# Altium PCB GameBoard_V1I1.PcbDoc (part 7 of 22)
Units mil, origin at the board's own origin, x right, y up, seen from the top; angles counter-clockwise.
Board outline 7165.35 x 2814.96 mil, 12 copper layers (L1, L2, L3, L4, L5 (PWR), L6 (PWR), L7 (PWR), L8 (PWR), L9, L10, L11, L12), stack 61.575 mil thick; 1551 components, 1072 nets, 5467 pads, 3785 vias.
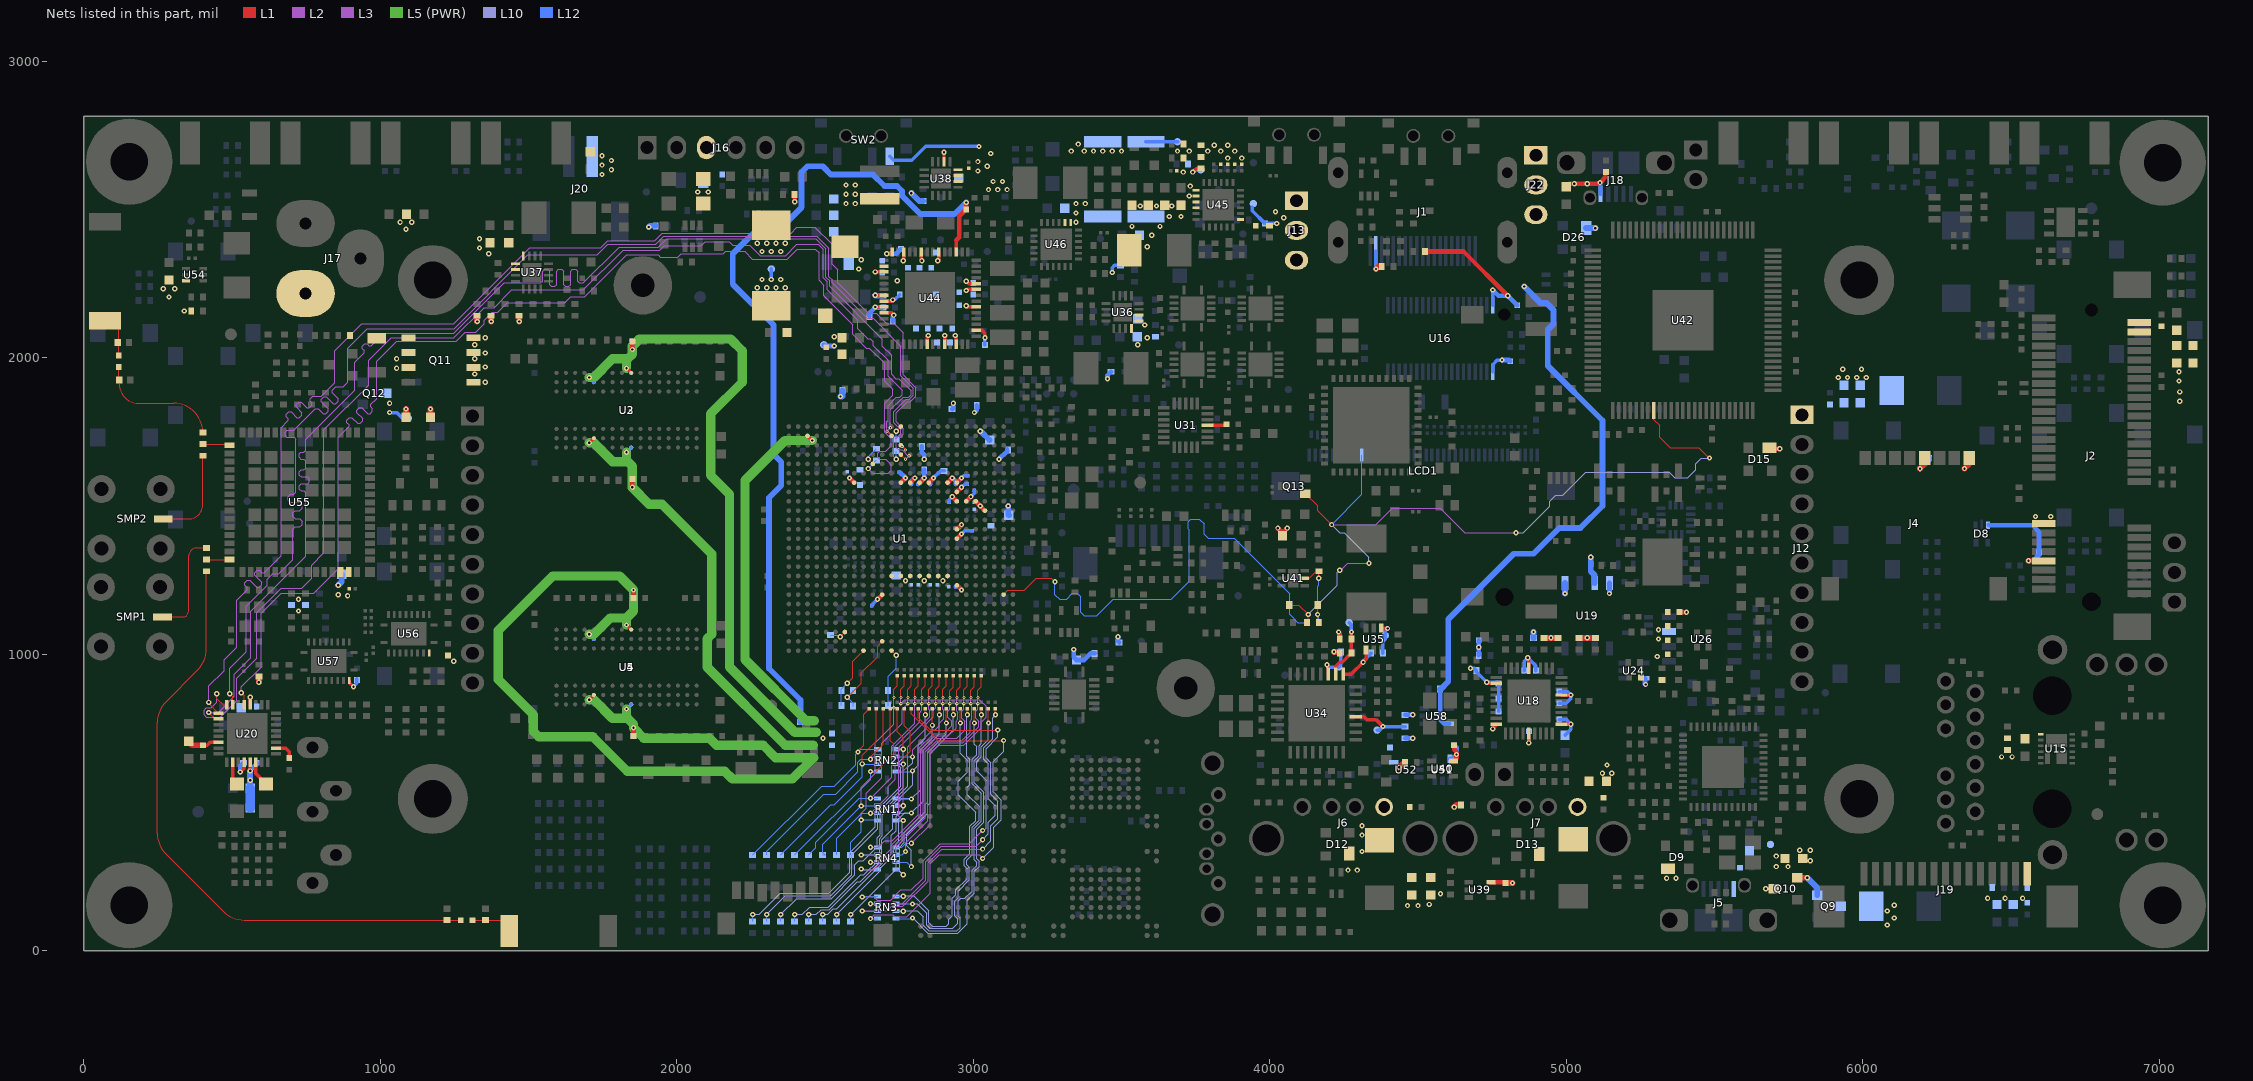
[diagram p17: the nets of this part, all layers, seen from the top]

## Via types
v1: diameter 17.72, hole 7.87, L1 to L12, 1935 vias
v2: diameter 17.72, hole 7.87, L1 to L12, tented both sides, 995 vias
v3: diameter 10.63, hole 3.94, L1 to L2, 334 vias
v4: diameter 11.81, hole 3.94, L2 to L3, 334 vias
v5: diameter 10.63, hole 3.94, L11 to L12, 94 vias
v6: diameter 11.81, hole 3.94, L10 to L11, 93 vias

## Nets (pads, with @x,y where several pads share a name; then routed paths per layer and width w, separated by ;. In a path a pad name is that pad's centre, name@x,y a point inside that pad or via, vN(x,y) a via of type N, cw(c..) or ccw(c..) an arc to the next point about the centre after c; other vN are vias at no path point) (continued)
+3V3_USB_HUB: C250.1 C251.2 C252.1 C253.2 C256.1 C257.1 C258.1 C259.1 C260.2 FB12.2 R184.2 R186.1 R187.2 R188.1 R197.2 R198.2 U18.5 U18.10 U18.15 U18.23 U18.29 U18.36 | length 851.6
  L1 w11.81: v1(4732.28,905.51) 4736.22,901.57 U18.29@4763.78,901.57 ; v1(4751.97,748.03) 4763.78,759.84 U18.36@4763.78,763.78 ; v1(4870.08,988.19) 4874.02,984.25 U18.23@4874.02,952.76 ; v1(4874.02,700.79) U18.5@4874.02,732.28 ; U18.10@4984.25,763.78 v1(5015.75,763.78) ; U18.15@4984.25,862.2 v1(5015.75,862.2)
  L1 w19.68: R188.1@4925.2,1055.12 v1(4948.82,1055.12) R186.1@4972.44,1055.12 ; R198.2@5047.24,1055.12 v1(5070.87,1055.12) R197.2@5098.43,1055.12
  L12 w11.81: v1(4677.17,952.76) 4688.98,952.76 R184.2@4696.85,944.88 4696.85,940.94 v1(4732.28,905.51) 4767.72,905.51 C257.1@4771.65,901.57 C260.2@4771.65,850.39 C256.1@4771.65,807.09 ; C252.1@4858.27,944.88 4858.27,976.38 v1(4870.08,988.19) 4897.64,960.63 C253.2@4897.64,944.88 ; v1(4874.02,700.79) C259.1@4874.02,740.16 ; C258.1@4976.38,779.53 5000,779.53 v1(5015.75,763.78) 5015.75,746.06 FB12.2@4996.06,726.38 ; C251.2@4976.38,834.65 5000,834.65 5015.75,850.39 v1(5015.75,862.2) 5003.94,874.02 C250.1@4976.38,874.02
  L12 w19.68: R187.2@4889.76,1055.12 v1(4889.76,1074.8)
+3V3_WIFI: C522.2 C525.2 C529.2 C531.2 D54.2 D55.2 FB50.2 FB51.2 R553.2 R554.2 R557.2 U55.46 U55.47 U56.19 U57.19 | length 176.9
  L1 w9.84: U57.19@895.67,911.42 895.67,903.54 v1(909.45,889.76)
  L1 w19.68: v1(590.55,905.51) R557.2@590.55,925.2 ; D54.2@1086.61,1799.21 v1(1086.61,1826.77) ; D55.2@1169.29,1799.21 v1(1169.29,1826.77)
  L12 w11.81: v1(909.45,889.76) 921.26,901.57 C531.2@921.26,917.32
  L12 w19.68: v1(858.27,1232.28) 870.08,1244.09 C525.2@870.08,1269.68
  other v1: 1248.03,976.38 724.41,1145.67 724.41,1185.04 889.76,1196.85 858.27,1200.79 1086.61,2433.07 1066.93,2456.69 1106.3,2456.69
+5V: C70.1 C71.1 C218.1 C242.1 C458.1 C459.1 C460.1 D45.1 FB10.1 FB13.1 FB31.2 FB33.1 R183.1 TP37.1 U1.D10 U1.E9 U16.1 U44.44 | length 247.2
  L1 w15.75: U1.E9@3007.87,1515.75 v2(3023.62,1500) U1.D10@3039.37,1484.25 ; FB33.1@5381.89,1141.73 v1(5405.51,1141.73)
  L12 w11.81: U16.1@4751.97,1952.76 4751.97,1976.38 4767.72,1992.13 v1(4783.46,1992.13)
  L12 w15.75: TP37.1@2496.06,2043.31 2500,2039.37 v2(2531.5,2039.37) ; R183.1@4704.72,996.06 v1(4704.72,1023.62) C242.1@4704.72,1047.24 ; v1(4783.46,1992.13) 4807.09,1992.13 C218.1@4811.02,1988.19
  other v1: 4538,156 4576,192 4263.78,271.65 4295.28,271.65 7069.43,1853.16 7069.43,1884.66 5917.32,1933.07 5948.82,1933.07 5933.07,1960.63 2744.09,2259.84
  other v2: 2531.5,2070.87
+5V_BARREL: J17.1 Q11.1 Q11.2 Q11.3 Q12.3 R320.2 R321.2 TP24.1 | length 71.1
  L12 w11.81: v1(1031.5,1814.96) 1055.12,1814.96 1074.8,1795.28 TP24.1@1094.49,1795.28
  other v1: 1031.5,1846.46 1055.12,1964.57 1055.12,1996.06
+5V_FTDI: C299.1 C300.1 D18.1 D19.1 J16.3 R233.2 R238.2 | length 50.8
  L1 w15.75: v1(2397.64,2525.59) R233.2@2397.64,2551.18
  L12 w19.68: v1(1905.51,2440.94) 1909.45,2444.88 R238.2@1929.13,2444.88
  other v1: 2070.87,2559.06 2106.3,2559.06
+5V_HDMI_CON: C221.1 J1.18 R146.2 R147.2 U16.38 | length 580.1
  L1 w15.75: R147.2@4523.62,2358.27 4653.54,2358.27 v1(4803.15,2208.66)
  L1 w19.68: v1(4358.27,2299.21) 4366.14,2307.09 R146.2@4377.95,2307.09
  L12 w11.81: v1(4358.27,2299.21) J1.18@4358.27,2359.84 ; U16.38@4751.97,2177.17 v1(4751.97,2228.35)
  L12 w15.75: v1(4751.97,2228.35) 4771.65,2208.66 v1(4803.15,2208.66) C221.1@4834.65,2177.17
+5V_HDR_J1: C297.1 C298.1 D15.1 FB27.1 FB31.1 J12.1 | length 37.1
  L1 w15.75: D15.1@5685.04,1696.85 5688.98,1692.91 v1(5720.47,1692.91)
+5V_JMP: J13.2 J22.3 Q11.5 Q11.6 Q11.7 Q11.8 R678.2 U58.5 | length 1940.5
  L12 w15.75: R678.2@4574.8,880.44 4574.8,779.53 4588.58,765.75 U58.5@4605.31,765.75
  L12 w19.68: R678.2@4574.8,880.44 4602.36,908 4602.36,1118.11 4822.83,1338.58 4889.76,1338.58 4977.17,1425.98 5048.03,1425.98 5122.05,1500 5122.05,1788.39 4937.99,1972.44 4937.99,2094.39 4956.69,2113.1 4956.69,2161.42 4934.06,2184.06 4914.37,2184.06 v1(4858.27,2240.16)
  other v1: 1354.33,1917.32 1318.9,1944.88 1354.33,1968.5 1318.9,1996.06 1354.33,2015.75 1318.9,2043.31 1354.33,2066.93
+5V_MPCIE: C236.1 C237.1 FB10.2 FB11.2 J2.49 J2.51
+5V_USB_BOT: C243.1 C245.1 D12.1 FB13.2 FB14.2 J6.1 U19.8 | length 35.5
  L12 w15.75: v1(5145.67,1204.72) 5145.87,1204.92 U19.8@5145.87,1240.16
  other v1: 4311.02,334.65 4311.02,389.76 4311.02,421.26
+5V_USB_OTG: C240.1 C241.1 D9.1 FB42.2 J5.1 Q10.3 TP11.1
  other v1: 5673.23,208.66 5338.58,244.09 5370.08,244.09 5708.66,283.46 5748.03,283.46 5708.66,318.9
+5V_USB_OTG_Q: C358.2 C519.2 C520.2 C521.2 Q9.2 Q10.2 R318.2 R319.2 U39.5 U40.5 U51.5 U52.5 | length 353.1
  L1 w15.75: U40.5@4620.08,639.76 4629.92,649.61 v1(4629.92,661.42) 4629.92,670.28 4622.05,678.15 C519.2@4622.05,692.91 ; U39.5@4746.06,230.32 C358.2@4793.31,230.32
  L1 w19.68: v1(4437.01,618.11) 4452.76,633.86 R319.2@4456.69,633.86 ; v1(4622.05,484.25) 4629.92,492.13 R318.2@4645.67,492.13 ; C358.2@4795.28,228.35 v1(4818.9,228.35) ; Q10.2@5779.53,246.06 v1(5812.99,246.06)
  L12 w15.75: U51.5@4608.27,647.64 4616.14,647.64 v1(4629.92,661.42) 4629.92,685.04 C520.2@4622.05,692.91
  L12 w19.68: v1(5812.99,246.06) 5846.85,212.2 Q9.2@5846.85,187.01
+5V_USB_TOP: C244.1 C246.1 D13.1 FB15.1 J7.1 U19.5 | length 35.5
  L12 w19.68: U19.5@4995.87,1240.16 4995.87,1204.92 v1(4996.06,1204.72)
+BAT: C489.1 J20.1 R226.1 R466.2 R475.2 R476.2 TP47.1 | length 127.6
  L1 w19.68: v1(4216.54,1007.87) 4232.28,1007.87 R226.1@4236.22,1003.94
  L12 w11.81: R475.2@3582.68,2728.35 TP47.1@3688.98,2728.35
  other v1: 1748.03,2618.11 1779.53,2633.86 1748.03,2649.61 1779.53,2665.35 1748.03,2681.1 3330.71,2696.85 3374.02,2696.85 3405.51,2696.85 3437.01,2696.85 3468.5,2696.85 3500,2696.85 3791.34,2696.85 3812.99,2716.54 3858.27,2716.54 3354.33,2720.47
+DDR_VREF: C1.1 C2.1 C3.1 C4.1 C5.1 C6.1 C7.1 C8.1 C9.1 C10.2 C18.1 R8.1 R11.2 R430.1 U1.AC2 U2.H1 U2.M8 U3.H1 U3.M8 U4.H1 U4.M8 U5.H1 U5.M8 | length 8450.6
  L1 w11.81: v2(1704.72,846.46) U4.M8@1720.47,862.2 ; v2(1704.72,1712.6) U2.M8@1720.47,1728.35 ; v2(1830.71,1098.43) U4.H1@1846.46,1082.68 ; v2(1830.71,1964.57) U2.H1@1846.46,1948.82 ; U1.AC2@2440.94,1736.22 v2(2456.69,1720.47)
  L1 w15.75: v2(1850.39,1562.99) C1.1@1850.39,1590.55 ; v2(1850.39,2027.56) C2.1@1850.39,2055.12 ; C6.1@1854.33,724.41 v2(1854.33,751.97) ; C7.1@1854.33,1188.98 v2(1854.33,1216.54)
  L5 (PWR) w31.5: v2(1704.72,846.46) 1720.47,846.46 1783.46,783.46 1822.83,783.46 ; v2(1704.72,1066.93) 1720.47,1066.93 1775.59,1122.05 1830.71,1122.05 ; v2(1704.72,1712.6) 1720.47,1712.6 1783.46,1649.61 1822.83,1649.61 ; v2(1704.72,1933.07) 1720.47,1933.07 1783.46,1996.06 1822.83,1996.06 ; v2(1830.71,814.96) 1830.71,791.34 1822.83,783.46 ; v2(1830.71,1098.43) 1830.71,1122.05 ; v2(1830.71,1681.1) 1830.71,1657.48 1822.83,1649.61 ; v2(1830.71,1964.57) 1830.71,1988.19 1822.83,1996.06 ; v2(1854.33,751.97) 1854.33,750.97 1888.77,716.54 2110.24,716.54 2133.86,692.91 2291.34,692.91 2333.18,651.08 2462.1,651.08 2389.76,578.74 2187.98,578.74 2161.41,605.31 1832.68,605.31 1716.54,721.46 1534.45,721.46 1515.75,740.16 1515.75,796.26 1397.64,914.37 1397.64,1079.72 1581.69,1263.78 1807.09,1263.78 v2(1854.33,1216.54) 1854.33,1145.67 1830.71,1122.05 ; v2@1854.33,759.84 1854.33,763.78 1834.65,783.46 1822.83,783.46 ; v2(2456.69,1720.47) 2365.16,1720.47 2230.32,1585.63 2230.32,982.28 2437.01,775.59 2463.57,775.59 ; 2460.63,692.91 2366.14,692.91 2102.36,956.69 2102.36,1051.18 2118.11,1066.93 2118.11,1337.94 1950.14,1505.91 1906.48,1505.91 1850.39,1562 v2(1850.39,1562.99) 1850.39,1633.86 1834.65,1649.61 1822.83,1649.61 ; 2470.47,736.22 2398.7,736.22 2178.15,956.77 2178.15,1539.37 2114.17,1603.35 2114.17,1811.02 2220.47,1917.32 2220.47,2023.62 2181.1,2062.99 1874.02,2062.99 1850.39,2039.37 v2(1850.39,2027.56) 1850.39,2011.81 1834.65,1996.06 1822.83,1996.06
  L12 w11.81: v2(1704.72,1066.93) U5.M8@1720.47,1051.18 ; v2(1704.72,1933.07) U3.M8@1720.47,1917.32 ; v2(1830.71,814.96) U5.H1@1846.46,830.71 ; v2(1830.71,1681.1) U3.H1@1846.46,1696.85 ; C5.1@2425.2,1724.41 2452.76,1724.41 v2(2456.69,1720.47)
  L12 w15.75: v2(1850.39,1562.99) C4.1@1850.39,1590.55 ; v2(1850.39,2027.56) C3.1@1850.39,2055.12 ; C8.1@1854.33,724.41 v2(1854.33,751.97) ; C9.1@1854.33,1188.98 v2(1854.33,1216.54)
  other v2: 2493.11,716.53
+DDR_VREF_PMIC: C424.1 R430.2 U44.31 | length 2960
  L1 w11.81: U44.31@2942.91,2356.3 2942.91,2395.67
  L1 w15.75: 2942.91,2395.67 2952.76,2405.51 2952.76,2476.38 C424.1@2976.38,2500 v1(2976.38,2523.62)
  L12 w19.68: R430.2@2417.32,771.65 2417.32,845.47 2311.02,951.77 2311.02,1527.56 2352.36,1568.9 2352.36,1647.91 2326.77,1673.5 2326.77,2110.24 2188.98,2248.03 2188.98,2350.39 2275.59,2437.01 2350.39,2437.01 2421.26,2507.87 2421.26,2625.98 2440.94,2645.67 2492.13,2645.67 2519.69,2618.11 2661.42,2618.11 2700.79,2578.74 2743.11,2578.74 2759.84,2562.01 2759.84,2546.26 2821.85,2484.25 2937.01,2484.25 v1(2976.38,2523.62)
+GYRO_VREGD: C321.1 U31.16 | length 65.6
  L1 w11.81: U31.16@3790.35,1771.65 3850.39,1771.65 C321.1@3854.33,1775.59
+HDMI_VP: C73.1 R22.2 U1.L7 | length 79
  L1 w15.75: U1.L7@2818.9,1578.74 v2(2834.65,1594.49)
  L12 w15.75: C73.1@2814.96,1573.43 2834.65,1593.11 v2(2834.65,1594.49) R22.2@2834.65,1622.05
+HDMI_VPH: C76.1 R27.2 U1.M7 | length 94.8
  L1 w15.75: U1.M7@2787.4,1578.74 v2(2803.15,1594.49)
  L12 w15.75: C76.1@2791.34,1573.43 2791.34,1582.68 v2(2803.15,1594.49) ; R27.2@2826.77,1700.79 2826.77,1681.1 2834.65,1673.23 v2(2834.65,1657.48)
+LVDS_2V5: C83.1 C84.1 R32.2 U1.V7 | length 22.3
  L1 w15.75: v2(2582.68,1594.49) U1.V7@2598.43,1578.74
+MPCIE_SIM_PWR: C238.1 D8.3 J2.8 J4.C1 | length 394.5
  L1 w19.68: v1(6343.31,1625.98) 6359.06,1641.73 J4.C1@6359.06,1661.42 ; v1(6559.06,1314.96) J2.8@6610.24,1314.96
  L12 w15.75: D8.3@6425.2,1437.01 6427.16,1435.04 6572.83,1435.04 6594.49,1413.39 C238.1@6594.49,1342.52 6594.49,1334.65 6574.8,1314.96 v1(6559.06,1314.96)
+MPCIE_SIM_VPP: C239.1 J2.16 J4.C6 | length 90.3
  L1 w19.68: v1(6193.31,1625.98) 6209.06,1641.73 J4.C6@6209.06,1661.42
  L12 w19.68: v1(6193.31,1625.98) 6224.41,1657.09 C239.1@6224.41,1661.42
  other v1: 6582.68,1464.57 6633.86,1464.57
+NVCC_CSI: C158.1 R113.1 U1.N7 | length 79.3
  L1 w15.75: U1.N7@2755.91,1578.74 v2(2771.65,1594.49)
  L12 w15.75: C158.1@2750.59,1614.17 2751.97,1614.17 v2(2771.65,1594.49)
  L12 w19.68: v1(2552.17,1869.09) 2553.15,1868.11 2557.09,1868.11 2559.06,1870.08 R113.1@2559.06,1889.76
+NVCC_ENET: C166.1 C167.1 R115.1 U1.R19 | length 161.4
  L1 w15.75: v1(2677.17,1185.04) U1.R19@2692.91,1200.79
  L12 w11.81: C166.1@2657.48,1163.98 2657.48,1165.35 v1(2677.17,1185.04)
  L12 w15.75: v1(3338.58,1015.75) 3338.58,990.16 C167.1@3348.43,980.31 3374.02,980.31 3396.65,1002.95 R115.1@3409.45,1002.95
+NVCC_MIPI: C163.1 R114.1 U1.K7 | length 93.4
  L1 w15.75: U1.K7@2850.39,1578.74 v2(2866.14,1594.49)
  L12 w11.81: v2(2866.14,1594.49) 2889.76,1618.11 R114.1@2901.57,1618.11
  L12 w15.75: C163.1@2854.33,1573.43 2854.33,1582.68 v2(2866.14,1594.49)
+NVCC_RGMII: C168.1 R116.1 U1.G18 | length 67.6
  L1 w15.75: U1.G18@2944.88,1232.28 v2(2960.63,1216.54)
  L12 w15.75: C168.1@2940.95,1226.97 2950.2,1226.97 v2(2960.63,1216.54) ; v1(3488.19,1059.06) 3488.19,1043.31 R116.1@3492.13,1039.37
+PCIE_VP: C59.1 R12.2 U1.H7 | length 75.1
  L1 w15.75: U1.H7@2913.39,1578.74 v2(2929.13,1594.49)
  L12 w15.75: v2(2929.13,1594.49) 2940.95,1582.68 C59.1@2940.95,1573.43 ; v1(3003.94,1814.96) 3011.81,1822.83 R12.2@3011.81,1838.58
+PCIE_VPH: C64.1 R13.2 U1.G7 | length 93.4
  L1 w15.75: U1.G7@2944.88,1578.74 v2(2960.63,1594.49)
  L12 w11.81: v2(2960.63,1594.49) 2968.5,1602.36 C64.1@2981.69,1602.36 ; R13.2@3114.17,1685.04 R13.2@3114.17,1692.91
  L12 w15.75: v1(3086.61,1657.48) R13.2@3114.17,1685.04
+PCIE_VPTX: C61.1 FB1.2 U1.G8 | length 90
  L1 w15.75: U1.G8@2944.88,1547.24 v2(2960.63,1562.99)
  L12 w11.81: v2(2960.63,1562.99) 2971.06,1573.43 C61.1@2980.32,1573.43
  L12 w19.68: v1(3023.62,1751.97) 3025.59,1751.97 FB1.2@3055.12,1722.44
+PMIC_LICELL: C428.1 U44.42 | length 73.9
  L1 w11.81: v2(2708.66,2350.39) 2720.47,2350.39 U44.42@2726.38,2356.3
  L12 w15.75: v2(2708.66,2350.39) 2740.16,2350.39 C428.1@2755.91,2366.14
+PMIC_VCORE: C473.1 U44.49 | length 54
  L1 w11.81: v2(2669.29,2210.63) U44.49@2698.82,2210.63
  L12 w19.68: v2(2669.29,2210.63) 2671.26,2208.66 C473.1@2692.91,2208.66
+PMIC_VCOREREF: C472.1 U44.52 | length 60
  L1 w11.81: U44.52@2698.82,2151.57 2724.41,2151.57 v2(2732.28,2143.7)
  L12 w15.75: C472.1@2728.35,2122.05 2728.35,2139.76 v2(2732.28,2143.7)
+PULLUP: R465.2 R466.1 R471.2 R472.2 R473.2 R474.2 R488.2 R489.2 R490.2 R495.2
  other v1: 3858.27,2673.23 3905.51,2673.23 3688.98,2696.85 3728.35,2696.85 3834.65,2696.85 3881.89,2696.85
+PWRON_1V375_OPT: C418.1 R301.2 U44.16 | length 101.5
  L1 w11.81: U44.16@3009.84,2092.52 3029.53,2092.52 3039.37,2082.68 v2(3039.37,2066.93)
  L12 w11.81: C418.1@3039.37,2043.31 v2(3039.37,2066.93)
  L12 w15.75: v1(3452.76,1929.13) 3452.76,1940.94 R301.2@3464.57,1952.76
+SATA_VP: C87.1 R39.2 U1.G13 | length 83.3
  L1 w15.75: U1.G13@2944.88,1389.76 v2(2960.63,1405.51)
  L12 w11.81: v2(2960.63,1405.51) 2971.06,1415.95 C87.1@2996.06,1415.95
  L12 w15.75: R39.2@2929.13,1826.77 2933.07,1830.71 v1(2933.07,1846.46)
+SATA_VPH: C93.1 R40.2 U1.G12 | length 50.4
  L1 w15.75: U1.G12@2944.88,1421.26 v2(2960.63,1437.01)
  L12 w11.81: C93.1@2939.57,1425.2 2952.48,1425.2 2960.63,1433.35 v2(2960.63,1437.01)
+SYS: C350.1 C351.1 C483.1 C484.1 C485.1 C486.1 J13.3 L17.2 R465.1 R583.1 SW2.3 TP45.1 U38.10 U38.11 U38.12 U45.15 U45.16 | length 415.3
  L1 w11.81: v1(3740.16,2625.98) 3751.97,2637.8 R465.1@3767.72,2637.8
  L12 w11.81: SW2.3@2718.5,2679.13 2732.28,2665.35 2792.45,2665.35 2839.69,2712.6 v1(3019.68,2712.6) ; v1(3740.16,2625.98) 3748.03,2633.86 TP45.1@3767.72,2633.86
  L12 w15.75: R583.1@4456.69,716.54 v1(4482.28,716.54)
  other v1: 3586.61,2374.02 3700.79,2476.38 3562.99,2511.81 3618.11,2511.81 3669.29,2511.81 3708.66,2625.98 3015.75,2629.92 3047.24,2645.67 3015.75,2661.42 3059.06,2688.98
+USB_CHARGE: C359.1 C360.1 D26.1 J18.1 J22.1 | length 237.7
  L1 w3.15: J22.1@4897.64,2679.13 J22.1@4897.64,2682.68
  L1 w15.75: C359.1@5000,2576.77 5009.84,2586.61 v1(5027.56,2586.61) v1(5070.87,2586.61) 5110.24,2586.61 v1(5114.17,2590.55) 5133.86,2610.24 C360.1@5133.86,2625.98
  L12 w11.81: v1(5114.17,2590.55) v1@5116.14,2588.58
  L12 w13.78: J18.1@5116.14,2552.17 v1@5116.14,2588.58
  L12 w19.68: D26.1@5066.93,2437.01 v1(5098.43,2437.01)
+VBUS: C481.1 C482.1 J22.2 R468.2 TP25.1 U45.1 | length 114
  L12 w11.81: TP25.1@3940.94,2507.87 3940.94,2496.06 C482.1@3984.25,2452.76 3984.25,2453.87 4022.51,2453.87 v1(4023.62,2452.76)
  other v1: 4047.24,2472.44 4019.69,2492.13
+VCC_CAN: C301.1 C304.1 C305.2 FB32.2 FB33.2 R248.2 U24.5 U26.3 | length 22.5
  L12 w15.75: U24.5@5265.75,919.29 5265.75,899.61 v1(5267.72,897.64)
  other v1: 5307.09,992.13 5311.02,1051.18 5311.02,1082.68
+VCOREDIG: C471.1 R432.2 U44.51 | length 115.3
  L1 w11.81: v2(2669.29,2171.26) U44.51@2698.82,2171.26
  L12 w11.81: v2(2669.29,2171.26) 2690.94,2171.26 C471.1@2692.91,2169.29
  L12 w15.75: R432.2@2649.61,2139.76 2649.61,2149.61 2669.29,2169.29 C471.1@2692.91,2169.29
+VDD_CSI: C475.1 C476.1 FB48.2 J19.15 R451.2 R452.2
  other v1: 6421.26,177.17 6480.31,177.17 6539.37,177.17
+VDD_SNVS_CAP: C156.1 U1.G9 | length 46.3
  L1 w15.75: v2(2929.13,1531.5) U1.G9@2944.88,1515.75
  L12 w11.81: C156.1@2918.7,1511.81 2918.7,1521.06 v2(2929.13,1531.5)
+VDDA: C271.1 FB16.1 FB20.1 U20.5 | length 191.2
  L1 w11.81: v1(561.02,606.3) U20.5@561.02,635.43
  L12 w15.75: v1(561.02,606.3) 561.02,608.27 583.58,630.83 C271.1@583.58,634.02
  L12 w19.68: FB16.1@561.02,547.24 v1(561.02,574.8) v1(561.02,606.3)
  L12 w31.5: FB20.1@561.02,481.3 FB16.1@561.02,547.24
+VDDD: C270.1 FB17.2 FB18.1 U20.30 | length 109
  L1 w11.81: C270.1@401.57,692.91 416,692.91 425.84,702.76 U20.30@454.33,702.76
  L1 w19.68: FB18.1@354.33,704.72 366.14,692.91 C270.1@401.57,692.91
+VDDIO: C269.1 FB19.2 U20.20 | length 25.2
  L1 w11.81: U20.20@561.02,829.13 v1(561.02,854.33)
+VDDPU: C143.1 C144.1 C145.1 C146.1 C147.1 C148.1 U1.H17 U1.J17 U1.K17 U1.L17 U1.M17 U1.N17 U1.P17
  other v2: 2771.65,1248.03 2834.65,1248.03 2897.64,1248.03
+VDDUSB: C68.1 C69.1 U1.F9 | length 80.5
  L1 w15.75: U1.F9@2976.38,1515.75 v2(2992.13,1531.5)
  L12 w11.81: v2(2992.13,1531.5) 3003.94,1543.31 C69.1@3003.94,1552.56
  L12 w19.68: v1(3118.11,1500) 3118.11,1470.47 C68.1@3120.08,1468.5
+VIN_4V2: C337.1 C338.1 C343.1 C344.1 C355.1 C420.1 C431.1 C432.1 C433.1 C434.1 C435.1 C436.1 C437.1 C438.1 C456.1 C457.1 C461.1 C462.1 C463.1 C464.1 C465.1 C466.1 C467.1 C468.1 C469.1 C523.1 D24.1 L16.1 R119.1 R227.1 R294.2 R295.2 R305.2 R306.2 R310.1 R508.1 TP22.1 U36.1 U36.2 U36.16 U37.1 U37.2 U37.16 U44.7 U44.10 U44.12 U44.20 U44.23 U44.24 U44.34 U44.37 U44.40 U44.45 U44.50 U54.3 | length 551.8
  L1 w11.81: v2(2669.29,2289.37) U44.45@2698.82,2289.37 ; U44.50@2698.82,2190.94 2724.41,2190.94 v2(2728.35,2194.88) ; v2(2763.78,2326.77) 2765.75,2328.74 U44.40@2765.75,2356.3 ; U44.37@2824.8,2356.3 2824.8,2328.74 v2(2826.77,2326.77) ; U44.7@2844.49,2045.28 2844.49,2070.87 v2(2848.43,2074.8) ; v2(2879.92,2326.77) 2883.86,2330.71 U44.34@2883.86,2356.3 ; U44.10@2903.54,2045.28 v2(2903.54,2074.8) ; v2(2938.98,2074.8) 2942.91,2070.87 U44.12@2942.91,2045.28 ; v2(2976.38,2175.2) 2980.31,2171.26 U44.20@3009.84,2171.26 ; v2(2976.38,2226.38) 2980.31,2230.31 U44.23@3009.84,2230.31 ; v2(2976.38,2257.87) 2984.25,2250 U44.24@3009.84,2250
  L1 w19.68: v1(1326.77,2122.05) R306.2@1326.77,2141.73 ; v1(1374.02,2122.05) R310.1@1374.02,2141.73 ; v1(1468.5,2122.05) R305.2@1468.5,2141.73
  L12 w11.81: v1(2318.9,2263.78) TP22.1@2318.9,2299.21 ; C462.1@2690.95,2289.37 C462.1@2692.91,2287.4 ; v2(2728.35,2194.88) 2734.25,2194.88 C469.1@2751.97,2212.6 ; v1(3468.5,2287.4) 3468.5,2303.15 3476.53,2311.18 R294.2@3496.06,2311.18
  L12 w15.75: R227.1@4456.69,795.28 v1(4482.28,795.28)
  other v1: 6468.5,653.54 6503.94,653.54 3555.12,2043.31 3586.61,2066.93 3578.74,2110.24 338.58,2157.48 287.4,2204.72 267.72,2232.28 307.09,2232.28 2271.65,2236.22 2303.15,2236.22 2334.65,2236.22 2366.14,2236.22 2287.4,2263.78 2350.39,2263.78 2614.17,2299.21 2622.05,2330.71 1366.14,2350.39 1334.65,2370.08 1334.65,2401.57
+VIN_5V: C261.1 C352.1 C353.1 C354.1 C357.1 D24.2 FB11.1 FB14.1 FB15.2 FB27.2 FB42.1 FB43.2 J13.1 L8.2 Q9.3 R317.2 R582.1 U19.7 U38.14 | length 253.6
  L1 w9.84: U38.14@2901.57,2661.42 v1(2901.57,2692.91)
  L1 w15.75: v1(4027.56,1425.2) FB43.2@4043.31,1409.45 ; FB43.2@4043.31,1399.61 FB43.2@4043.31,1409.45 ; v1(4059.06,1425.2) FB43.2@4043.31,1409.45 ; v1(4232.28,1074.8) 4236.22,1070.87 R582.1@4236.22,1051.18
  L12 w19.68: v2(2791.34,2555.12) 2817.91,2528.54 R317.2@2830.71,2528.54 ; v1(5082.68,1326.77) C261.1@5082.68,1303.15 5082.68,1279.53 5095.87,1266.34 U19.7@5095.87,1240.16
  other v1: 6082.68,86.61 6106.3,110.24 6082.68,133.86 4464.57,152 4500,152 6106.3,153.54 5822.83,303.15 5787.4,338.58 5822.83,338.58 5122.05,598.43 5153.54,598.43 5137.8,625.98 7066.93,1921.26 5980.31,1933.07 6011.81,1933.07 7066.93,1952.76 5996.06,1960.63 2287.4,2358.27 2318.9,2358.27 2350.39,2358.27 2271.65,2385.83 2303.15,2385.83 2334.65,2385.83 2366.14,2385.83 3051.18,2566.93 3082.68,2566.93 3114.17,2566.93 3066.93,2594.49 3098.43,2594.49
  other v2: 2570.87,2519.68 2602.36,2519.68 2570.87,2551.18 2602.36,2551.18 2570.87,2582.68 2602.36,2582.68
+VIN_ETH: C190.1 R119.2 R122.2 U15.1
ACTIVE: D28.1 LCD1.31 Q13.1 R330.1 U42.8 | length 2786.1
  L1 w3.15: D28.1@4065.42,1165.35 4098.43,1165.35 v1(4129.92,1133.86) 4129.92,1110.24 R330.1@4125.98,1106.3 ; Q13.1@4120.08,1541.34 4161.42,1500 4161.42,1484.25 v1(4208.66,1437.01) ; U42.8@5295.28,1821.85 5295.28,1791.34 5314.96,1771.65 5314.96,1732.28 5350.39,1696.85 5447.83,1696.85 v1(5483.27,1661.42)
  L3 w3.15: v1(4208.66,1437.01) 4358.27,1437.01 4413.39,1492.13 4574.8,1492.13 4657.48,1409.45 v1(4830.71,1409.45) ; v1(4236.22,1283.46) 4240.16,1283.46 4263.78,1307.09 v1(4334.65,1307.09)
  L10 w3.15: v1(4129.92,1133.86) 4228.35,1232.28 4228.35,1275.59 v1(4236.22,1283.46) ; v1(4208.66,1437.01) 4235.73,1409.94 4251.48,1409.94 4334.65,1326.77 v1(4334.65,1307.09) ; v1(4830.71,1409.45) 4855.52,1409.45 4944.88,1498.81 4944.88,1515.75 4964.57,1535.43 4987.67,1535.43 5065.43,1613.19 5347.44,1613.19 5365.43,1595.2 5410.16,1595.2 5437.01,1622.05 5437.01,1642.93 5455.5,1661.42 v1(5483.27,1661.42)
  L12 w3.15: v1(4208.66,1437.01) 4311.02,1539.37 LCD1.31@4311.02,1671.26
ANALOG_IN_0: R289.2 TP52.1 U35.1 | length 111.7
  L1 w11.81: U35.1@4375.98,1088.58 4377.95,1086.61 v1(4397.64,1086.61)
  L12 w11.81: R289.2@4381.89,1003.94 4381.89,1043.31 4389.76,1051.18 TP52.1@4389.76,1062.99 4389.76,1078.74 v1(4397.64,1086.61)
ANALOG_IN_0_SW: R289.1 U34.25 U35.4 | length 171.6
  L1 w11.81: U34.25@4248.03,933.07 4275.59,933.07 v1(4314.96,972.44) 4324.8,982.28 U35.4@4324.8,1013.78
  L12 w11.81: v1(4314.96,972.44) 4314.96,976.38 R289.1@4342.52,1003.94
ANALOG_IN_1: R226.2 R582.2 TP53.1 U34.26 | length 203.1
  L1 w11.81: U34.26@4222.44,933.07 4222.44,958.66 4236.22,972.44 4244.09,972.44 R226.2@4275.59,1003.94 R582.2@4275.59,1051.18 v1(4275.59,1074.8)